# Altium PCB allaki_mezzanine.PcbDoc (part 1 of 3) (continued)
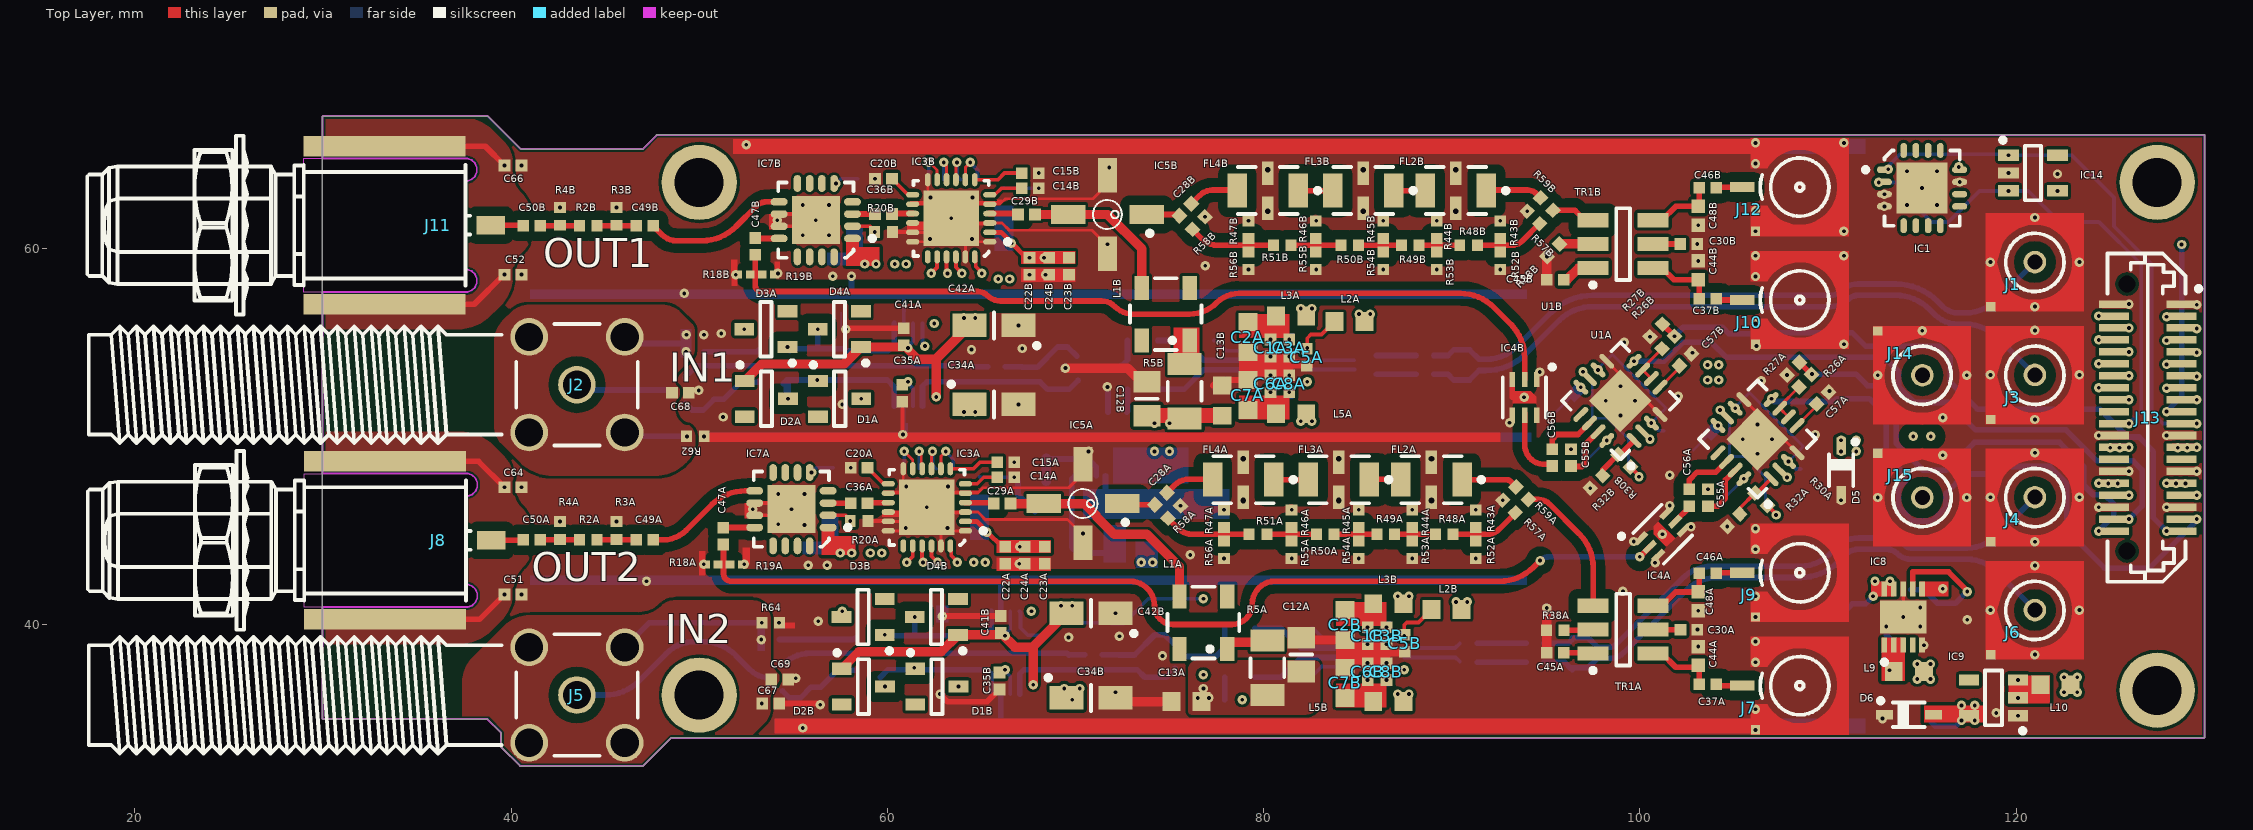
[diagram p0: Top Layer view]
## Classes and differential pairs
net class 50_Ohms: NetC9A_2 NetC9B_2 NetC28A_1 NetC28A_2 NetC28B_1 NetC28B_2 NetC29A_2 NetC29B_2 NetC31A_1 NetC31B_1 NetC36A_1 NetC36A_2 NetC36B_1 NetC36B_2 NetC47A_1 NetC47B_1 NetC49A_1 NetC49A_2 NetC49B_1 NetC49B_2 NetC50A_1 NetC50B_1 NetC55A_2 NetC55B_2 NetC56A_1 NetC56A_2 NetC56B_1 NetC56B_2 NetFL2A_1 NetFL2A_3 NetFL2B_1 NetFL2B_3 NetFL3A_3 NetFL3B_3 NetIC2A_2 NetIC2A_3 NetIC2B_2 NetIC2B_3 NetIC6A_7 NetIC6B_7 NetR6A_2 NetR6B_2 NetR7A_2 NetR7B_2 NetR8A_1 NetR8B_1 NetR11A_1 NetR11B_1 NetR35A_2 NetR35B_2 NetR43A_2 NetR43B_2 NetR44A_2 NetR44B_2 NetR45A_2 NetR45B_2 NetR46A_2 NetR46B_2 NetR47A_2 NetR47B_2 NetR59A_1 NetR59B_1 PD_INA PD_INB RF1_OUT RF2_OUT SIG1_IN SIG2_IN
component class U_PowerSupply: C11 C25 C26 C27 C53 C70 C71 C72 D5 D6 IC8 IC9 IC10 L4 L9 L10 R39 R60
component class U_FP_connectors: C10 C32 C51 C52 C64 C65 C66 C67 C68 C69 J2 J5 J8 J11 R61 R62 R63 R64
component class U_B2B_connectors: J1 J3 J4 J6 J7 J9 J10 J12 J13 J14 J15 R17
channel class ADC_channel: U_ADC_channel1 U_ADC_channel2
channel class DAC_channel: U_Attenuator1 U_Attenuator2
component class U_ADC_channel1: C1A C2A C3A C4A C5A C6A C7A C8A C9A C31A C33A C34A C35A C41A C42A C63A D1A D2A D3A D4A IC2A IC6A L2A L3A L5A R1A R6A R7A R8A R9A R10A R11A R12A R13A R14A R15A R16A R21A R22A R24A R33A R34A R35A R36A R37A R40A R41A R42A R65A R66A R67A R68A
component class U_ADC_channel2: C1B C2B C3B C4B C5B C6B C7B C8B C9B C31B C33B C34B C35B C41B C42B C63B D1B D2B D3B D4B IC2B IC6B L2B L3B L5B R1B R6B R7B R8B R9B R10B R11B R12B R13B R14B R15B R16B R21B R22B R24B R33B R34B R35B R36B R37B R40B R41B R42B R65B R66B R67B R68B
component class U_DAC_channel1: C12A C13A C14A C15A C16A C17A C18A C19A C20A C21A C22A C23A C24A C28A C29A C30A C36A C37A C38A C39A C40A C44A C45A C46A C47A C48A C49A C50A C55A C56A C57A C58A C59A C60A C61A C62A FL2A FL3A FL4A IC3A IC4A IC5A IC7A L1A L6A L7A L8A R2A R3A R4A R5A R18A R19A R20A R23A R25A R26A R27A R28A R29A R30A R31A R32A R38A R43A R44A R45A R46A R47A R48A R49A R50A R51A R52A R53A R54A R55A R56A R57A R58A R59A TR1A U1A
component class U_DAC_channel2: C12B C13B C14B C15B C16B C17B C18B C19B C20B C21B C22B C23B C24B C28B C29B C30B C36B C37B C38B C39B C40B C44B C45B C46B C47B C48B C49B C50B C55B C56B C57B C58B C59B C60B C61B C62B FL2B FL3B FL4B IC3B IC4B IC5B IC7B L1B L6B L7B L8B R2B R3B R4B R5B R18B R19B R20B R23B R25B R26B R27B R28B R29B R30B R31B R32B R38B R43B R44B R45B R46B R47B R48B R49B R50B R51B R52B R53B R54B R55B R56B R57B R58B R59B TR1B U1B
component class U_Mgmt: C43 C54 IC1 IC14
differential pair ADC1_IN: +ADC1_IN_P -ADC1_IN_N
differential pair ADC2_IN: +ADC2_IN_P -ADC2_IN_N
differential pair DAC1_OUT: +DAC1_OUT_P -DAC1_OUT_N
differential pair DAC2_OUT: +DAC2_OUT_P -DAC2_OUT_N
differential pair LO_IN: +LO_IN_P -LO_IN_N

## Components (designator, comment, footprint, x,y, rotation, side; value= is the part's Value field where it differs from the comment)
C1A "100nF" CAPC1005X55N 80.37,54.7 r90 top (schematic designator C1)
C1B "100nF" CAPC1005X55N 85.53,39.4 r90 top (schematic designator C1)
C2A "10uF" CAPC1608X87N 79.17,55.275 r90 top (schematic designator C2)
C2B "10uF" CAPC1608X87N 84.33,39.975 r90 top (schematic designator C2)
C3A "1nF" CAPC1005X55N 81.37,54.7 r90 top (schematic designator C3)
C3B "1nF" CAPC1005X55N 86.53,39.4 r90 top (schematic designator C3)
C4A "10pF" CAPC1608X87N 87,53.8 r90 bottom (schematic designator C4)
C4B "10pF" CAPC1608X87N 92.6,38.5 r90 bottom (schematic designator C4)
C5A "100nF" CAPC1005X55N 82.3,54.2 r90 top (schematic designator C5)
C5B "100nF" CAPC1005X55N 87.5,39 r90 top (schematic designator C5)
C6A "100nF" CAPC1005X55N 80.37,52.8 r270 top (schematic designator C6)
C6B "100nF" CAPC1005X55N 85.53,37.5 r270 top (schematic designator C6)
C7A "10uF" CAPC1608X87N 79.17,52.2 r270 top (schematic designator C7)
C7B "10uF" CAPC1608X87N 84.33,36.9 r270 top (schematic designator C7)
C8A "1nF" CAPC1005X55N 81.37,52.8 r270 top (schematic designator C8)
C8B "1nF" CAPC1005X55N 86.53,37.5 r270 top (schematic designator C8)
C9A "18pF" CAPC1005X55N 57.77,52.2 r90 bottom (schematic designator C9)
C9B "18pF" CAPC1005X55N 62.93,36.8 r90 bottom (schematic designator C9)
C10 "10pF" CAPC1005X55N 49.77,55.4 r0 bottom
C11 "10uF" CAPC1608X87N 112.9,41.1 r90 bottom
C12A "1uF" CAPC2012X140N 82,38.4 r270 top (schematic designator C12)
C12B "1uF" CAPC2012X140N 73.8,52 r270 top (schematic designator C12)
C13A "100nF" CAPC1608X87N 75.9,35.9 r0 top (schematic designator C13)
C13B "100nF" CAPC1608X87N 77.8,51.9 r270 top (schematic designator C13)
C14A "10nF" CAPC1005X55N 66.3,47.83 r180 top (schematic designator C14)
C14B "10nF" CAPC1005X55N 67.597,63.195 r180 top (schematic designator C14)
C15A "10nF" CAPC1005X55N 66.3,48.63 r180 top (schematic designator C15)
C15B "10nF" CAPC1005X55N 67.597,63.995 r180 top (schematic designator C15)
C16A "10nF" CAPC1005X55N 63.5,47.83 r90 bottom (schematic designator C16)
C16B "10nF" CAPC1005X55N 64.797,63.195 r90 bottom (schematic designator C16)
C17A "10nF" CAPC1005X55N 62.6,47.83 r90 bottom (schematic designator C17)
C17B "10nF" CAPC1005X55N 63.897,63.195 r90 bottom (schematic designator C17)
C18A "10nF" CAPC1005X55N 61.7,47.83 r90 bottom (schematic designator C18)
C18B "10nF" CAPC1005X55N 62.997,63.195 r90 bottom (schematic designator C18)
C19A "10nF" CAPC1005X55N 60.8,47.83 r90 bottom (schematic designator C19)
C19B "10nF" CAPC1005X55N 62.097,63.195 r90 bottom (schematic designator C19)
C20A "10nF" CAPC1005X55N 58.5,48.33 r0 top (schematic designator C20)
C20B "10nF" CAPC1005X55N 59.797,63.695 r0 top (schematic designator C20)
C21A "10uF" CAPC1608X80N 64.9,47.1 r270 bottom (schematic designator C21)
C21B "10uF" CAPC1608X80N 66.197,62.465 r270 bottom (schematic designator C21)
C22A "100nF" CAPC1005X55N 66.261,43.68 r90 top (schematic designator C22)
C22B "100nF" CAPC1005X55N 67.558,59.045 r90 top (schematic designator C22)
C23A "1nF" CAPC1005X55N 68.361,43.68 r90 top (schematic designator C23)
C23B "1nF" CAPC1005X55N 69.658,59.045 r90 top (schematic designator C23)
C24A "100pF" CAPC1005X55N 67.311,43.68 r90 top (schematic designator C24)
C24B "100pF" CAPC1005X55N 68.608,59.045 r90 top (schematic designator C24)
C25 "4.7uF" CAPC1709X95N 113.5,38.3 r270 bottom
C26 "4.7uF" CAPC1709X95N 117.4,41 r90 bottom
C27 "2.2uF" CAPC1608X90N 120.1,35.8 r90 bottom
C28A "10nF" CAPC1005X55N 74.546,46.684 r225 top (schematic designator C28)
C28B "10nF" CAPC1005X55N 75.844,62.049 r225 top (schematic designator C28)
C29A "10nF" CAPC1005X55N 66.1,46.43 r180 top (schematic designator C29)
C29B "10nF" CAPC1005X55N 67.397,61.795 r180 top (schematic designator C29)
C30A "100pF" CAPC1005X55N 102.61,39.73 r180 top (schematic designator C30)
C30B "100pF" CAPC1005X55N 102.607,60.225 r180 top (schematic designator C30)
C31A "180pF" CAPC3216X140N 56.17,53.8 r270 bottom (schematic designator C31)
C31B "180pF" CAPC3216X140N 61.33,38.5 r270 bottom (schematic designator C31)
C32 "10pF" CAPC1005X55N 53.8,40.1 r0 bottom
C33A "18pF" CAPC1005X55N 57.77,55.3 r270 bottom (schematic designator C33)
C33B "18pF" CAPC1005X55N 62.93,40 r270 bottom (schematic designator C33)
C34A "10uF" CAPMP3216X180N 65.67,51.7 r0 top (schematic designator C34)
C34B "10uF" CAPMP3216X180N 70.83,36.1 r0 top (schematic designator C34)
C35A "100nF" CAPC1005X55N 60.8,52.3 r90 top (schematic designator C35)
C35B "100nF" CAPC1005X55N 65.96,37 r90 top (schematic designator C35)
C36A "10nF" CAPC1005X55N 58.5,46.455 r180 top (schematic designator C36)
C36B "10nF" CAPC1005X55N 59.797,61.82 r180 top (schematic designator C36)
C37A "10nF" CAPC1005X55N 103.61,36.83 r180 top (schematic designator C37)
C37B "10nF" CAPC1005X55N 103.607,57.325 r180 top (schematic designator C37)
C38A "100pF" CAPC1005X55N 56.8,43.6 r270 bottom (schematic designator C38)
C38B "100pF" CAPC1005X55N 58.097,58.965 r270 bottom (schematic designator C38)
C39A "10uF" CAPC1608X80N 56.2,45.5 r0 bottom (schematic designator C39)
C39B "10uF" CAPC1608X80N 57.497,60.865 r0 bottom (schematic designator C39)
C40A "100nF" CAPC1005X55N 55.8,43.6 r90 bottom (schematic designator C40)
C40B "100nF" CAPC1005X55N 57.097,58.965 r90 bottom (schematic designator C40)
C41A "100nF" CAPC1005X55N 60.87,55.3 r270 top (schematic designator C41)
C41B "100nF" CAPC1005X55N 66.03,40 r270 top (schematic designator C41)
C42A "10uF" CAPMP3216X180N 65.67,55.9 r180 top (schematic designator C42)
C42B "10uF" CAPMP3216X180N 70.83,40.6 r180 top (schematic designator C42)
C43 "100nF" CAPC1005X55N 122.2,63.5 r270 bottom
C44A "0.5pF" CAPC0402(1005)60_M 103.11,38.33 r270 top (schematic designator C44)
C44B "0.5pF" CAPC0402(1005)60_M 103.107,58.825 r270 top (schematic designator C44)
C45A "100pF" CAPC1005X55N 95.5,38.5 r180 top (schematic designator C45)
C45B "100pF" CAPC1005X55N 95.5,58.335 r180 top (schematic designator C45)
C46A "10nF" CAPC1005X55N 103.61,42.73 r180 top (schematic designator C46)
C46B "10nF" CAPC1005X55N 103.607,63.225 r180 top (schematic designator C46)
C47A "10nF" CAPC1005X55N 51.27,44.7 r270 top (schematic designator C47)
C47B "10nF" CAPC1005X55N 52.975,60.097 r270 top (schematic designator C47)
C48A "0.5pF" CAPC0402(1005)60_M 103.11,41.23 r270 top (schematic designator C48)
C48B "0.5pF" CAPC0402(1005)60_M 103.107,61.725 r270 top (schematic designator C48)
C49A "10nF" CAPC1005X55N 47.1,44.5 r180 top (schematic designator C49)
C49B "10nF" CAPC1005X55N 47.1,61.195 r180 top (schematic designator C49)
C50A "10nF" CAPC1005X55N 41.1,44.5 r180 top (schematic designator C50)
C50B "10nF" CAPC1005X55N 41.1,61.195 r180 top (schematic designator C50)
C51 "10nF" CAPC1005X55N 40.1,41.6 r180 top
C52 "10nF" CAPC1005X55N 40.1,58.6 r180 top
C53 "2.2uF" CAPC1608X90N 118.2,35.3 r180 bottom
C54 "100nF" CAPC1005X55N 116.5,64.325 r0 bottom
C55A "10nF" CAPC1005X55N 103.625,46.735 r270 top (schematic designator C55)
C55B "10nF" CAPC1005X55N 96.338,48.873 r270 top (schematic designator C55)
C56A "10nF" CAPC1005X55N 102.635,46.735 r90 top (schematic designator C56)
C56B "10nF" CAPC1005X55N 95.348,48.873 r90 top (schematic designator C56)
C57A "100nF" CAPC1005X55N 109.711,52.039 r45 top (schematic designator C57)
C57B "100nF" CAPC1005X55N 102.424,54.076 r45 top (schematic designator C57)
C58A "100nF" CAPC1005X55N 108.233,47.944 r225 bottom (schematic designator C58)
C58B "100nF" CAPC1005X55N 100.947,49.982 r225 bottom (schematic designator C58)
C59A "100nF" CAPC1005X55N 106.14,52.64 r225 bottom (schematic designator C59)
C59B "100nF" CAPC1005X55N 98.854,54.677 r225 bottom (schematic designator C59)
C60A "100nF" CAPC1005X55N 109.004,49.776 r225 bottom (schematic designator C60)
C60B "100nF" CAPC1005X55N 101.717,51.813 r225 bottom (schematic designator C60)
C61A "100pF" CAPC1005X55N 105.539,50.978 r315 bottom (schematic designator C61)
C61B "100pF" CAPC1005X55N 98.253,53.015 r315 bottom (schematic designator C61)
C62A "100pF" CAPC1005X55N 107.449,49.069 r135 bottom (schematic designator C62)
C62B "100pF" CAPC1005X55N 100.162,51.106 r135 bottom (schematic designator C62)
C63A "10pF" CAPC1608X87N 90.1,53.8 r90 bottom (schematic designator C63)
C63B "10pF" CAPC1608X87N 96.4,38.5 r90 bottom (schematic designator C63)
C64 "10nF" CAPC1005X55N 40.1,47.3 r0 top
C65 "10nF" CAPC1005X55N 49.9,49.9 r180 bottom
C66 "10nF" CAPC1005X55N 40.1,64.4 r0 top
C67 "10nF" CAPC1005X55N 53.8,35.8 r180 top
C68 "10nF" CAPC1005X55N 49,52.313 r180 top
C69 "10nF" CAPC1005X55N 54.276,37.078 r180 top
C70 "10uF" CAPC1608X87N 74,47.285 r90 bottom
C71 "4.7uF" CAPC1709X95N 68.6,46 r0 bottom
C72 "4.7uF" CAPC1709X95N 67.7,47.6 r0 bottom
D1A "BAV199" SOT95P240X110-3N 57.47,52 r0 top (schematic designator D1)
D1B "BAV199" SOT95P240X110-3N 62.63,36.7 r0 top (schematic designator D1)
D2A "BAV199" SOT95P240X110-3N 53.57,52 r0 top (schematic designator D2)
D2B "BAV199" SOT95P240X110-3N 58.73,36.7 r0 top (schematic designator D2)
D3A "BAV199" SOT95P240X110-3N 53.55,55.7 r180 top (schematic designator D3)
D3B "BAV199" SOT95P240X110-3N 58.71,40.4 r180 top (schematic designator D3)
D4A "BAV199" SOT95P240X110-3N 57.45,55.7 r180 top (schematic designator D4)
D4B "BAV199" SOT95P240X110-3N 62.61,40.4 r180 top (schematic designator D4)
D5 "1PS76SB10" SOD2512X110N 110.7,48.2 r270 top
D6 "1PS76SB10" SOD2512X110N 114.3,35.2 r0 top
FL2A "DC to 3000MHz" FIL_MINI-CIRCUITS_FV1206 88.925,47.7 r180 top (schematic designator FL2)
FL2B "DC to 3000MHz" FIL_MINI-CIRCUITS_FV1206 90.222,63.065 r180 top (schematic designator FL2)
FL3A "DC to 3000MHz" FIL_MINI-CIRCUITS_FV1206 84,47.7 r180 top (schematic designator FL3)
FL3B "DC to 3000MHz" FIL_MINI-CIRCUITS_FV1206 85.297,63.065 r180 top (schematic designator FL3)
FL4A "DC to 3000MHz" FIL_MINI-CIRCUITS_FV1206 78.925,47.7 r180 top (schematic designator FL4)
FL4B "DC to 3000MHz" FIL_MINI-CIRCUITS_FV1206 80.222,63.065 r180 top (schematic designator FL4)
IC1 "ADT7420UCPZ-R2" QFN65P400X400X80-17N-S270 115,63.2 r0 top
IC2A "ADA4927-1YCPZ-R2" QFN50P300X300X100-17N-S145 80.87,53.8 r0 bottom (schematic designator IC2)
IC2B "ADA4927-1YCPZ-R2" QFN50P300X300X100-17N-S145 86.03,38.5 r0 bottom (schematic designator IC2)
IC3A "HMC542BLP4E" QFN50P400X400X100-25N-S295 62.1,46.23 r180 top (schematic designator IC3)
IC3B "HMC542BLP4E" QFN50P400X400X100-25N-S295 63.397,61.595 r180 top (schematic designator IC3)
IC4A "YAT-12+" MINI-CIRCUITS_MC1630 101.2,44.8 r45 top (schematic designator IC4)
IC4B "YAT-12+" MINI-CIRCUITS_MC1630 93.875,52.075 r270 top (schematic designator IC4)
IC5A "ERA-4XSM+" MINI-CIRCUITS_WW107 70.4,46.43 r180 top (schematic designator IC5)
IC5B "ERA-4XSM+" MINI-CIRCUITS_WW107 71.697,61.795 r180 top (schematic designator IC5)
IC6A "AD8253ARMZ" SOP50P490X110-10N 61.37,53.8 r270 bottom (schematic designator IC6)
IC6B "AD8253ARMZ" SOP50P490X110-10N 66.53,38.5 r270 bottom (schematic designator IC6)
IC7A "HMC349ALP4CE" QFN65P400X400X100-17N-S255 54.9,46.13 r180 top (schematic designator IC7)
IC7B "HMC349ALP4CE" QFN65P400X400X100-17N-S255 56.197,61.495 r180 top (schematic designator IC7)
IC8 "LT3045EDD#PBF" SON50P300X300X80-11N-R175X248 114,40.4 r90 top
IC9 "ADP7182AUJZ-5.0-R7" SOT95P280X90-5N 118.8,36.1 r180 top
IC10 "LT3045EDD#PBF" SON50P300X300X80-11N-R175X248 71.6,46.4 r90 bottom
IC14 "24AA02E48T-I/OT" SOT95P280X145-5N 120.9,64 r0 top
J1 "SMP" AMPHENOL_SMP-MSLD-PCT-10 121,59.25 r90 top locked
J2 "SMA" TELEGARTNER_J01151A0921 43.5,52.75 r0 top locked
J3 "SMP" AMPHENOL_SMP-MSLD-PCT-10 121,53.25 r90 top locked
J4 "SMP" AMPHENOL_SMP-MSLD-PCT-10 121,46.75 r90 top locked
J5 "SMA" TELEGARTNER_J01151A0921 43.5,36.25 r0 top locked
J6 "SMP" AMPHENOL_SMP-MSLD-PCT-10 121,40.75 r90 top locked
J7 "SMP" MOLEX_85305-0232 108.5,36.75 r90 top
J8 "SMA" TELEGARTNER_J01151A0451 38.95,44.474 r180 top locked
J9 "SMP" MOLEX_85305-0232 108.5,42.75 r90 top
J10 "SMP" MOLEX_85305-0232 108.5,57.25 r90 top
J11 "SMA" TELEGARTNER_J01151A0451 38.925,61.225 r180 top locked
J12 "SMP" MOLEX_85305-0232 108.5,63.25 r90 top
J13 "Familly" SAMTEC_LSS-120-02-L-DV-A 127,51 r90 top
J14 "SMP" AMPHENOL_SMP-MSLD-PCT-10 115,53.25 r0 top locked
J15 "SMP" AMPHENOL_SMP-MSLD-PCT-10 115,46.75 r0 top locked
L1A "0.5uH@200mA" IND_MINI-CIRCUITS_GU1604 76.8,40.1 r180 top (schematic designator L1)
L1B "0.5uH@200mA" IND_MINI-CIRCUITS_GU1604 74.8,56.5 r180 top (schematic designator L1)
L2A "390R@100MHz" INDC1608X95N 84.57,56.1 r180 top (schematic designator L2)
L2B "390R@100MHz" INDC1608X95N 89.73,40.8 r180 top (schematic designator L2)
L3A "390R@100MHz" INDC1608X95N 81.47,56.4 r0 top (schematic designator L3)
L3B "390R@100MHz" INDC1608X95N 86.63,41.1 r0 top (schematic designator L3)
L4 "390R@100MHz" INDC1608X95N 73,43.8 r180 bottom
L5A "390R@100MHz" INDC1608X95N 81.47,51.2 r180 top (schematic designator L5)
L5B "390R@100MHz" INDC1608X95N 86.63,35.9 r180 top (schematic designator L5)
L6A "390R@100MHz" INDC1608X95N 58.6,44.2 r0 bottom (schematic designator L6)
L6B "390R@100MHz" INDC1608X95N 59.897,59.565 r0 bottom (schematic designator L6)
L7A "390R@100MHz" INDC1608X95N 64.9,44.2 r90 bottom (schematic designator L7)
L7B "390R@100MHz" INDC1608X95N 66.197,59.565 r90 bottom (schematic designator L7)
L8A "390R@100MHz" INDC1608X95N 111.1,50.3 r270 bottom (schematic designator L8)
L8B "390R@100MHz" INDC1608X95N 103.1,53.4 r0 bottom (schematic designator L8)
L9 "390R@100MHz" INDC1608X95N 114.3,37.5 r180 top
L10 "390R@100MHz" INDC1608X95N 122.1,36.8 r180 top
R1A "698" RESC1608X55N 76.57,55.1 r0 bottom (schematic designator R1)
R1B "698" RESC1608X55N 81.73,39.8 r0 bottom (schematic designator R1)
R2A "0" RESC1005X40N#1 44.1,44.5 r180 top (schematic designator R2)
R2B "0" RESC1005X40N#1 44.1,61.195 r180 top (schematic designator R2)
R3A "0" RESC1005X40N#1 45.6,45 r270 top (schematic designator R3)
R3B "0" RESC1005X40N#1 45.6,61.695 r270 top (schematic designator R3)
R4A "0" RESC1005X40N#1 42.6,45 r270 top (schematic designator R4)
R4B "0" RESC1005X40N#1 42.6,61.695 r270 top (schematic designator R4)
R5A "100" RESC3216X65N 80.2,37.7 r90 top (schematic designator R5)
R5B "100" RESC3216X65N 75.8,52.4 r90 top (schematic designator R5)
R6A "DNP" RESC1005X40N#1 48.9,52.8 r45 bottom value=0 (schematic designator R6)
R6B "DNP" RESC1005X40N#1 54.06,37.5 r45 bottom value=0 (schematic designator R6)
R7A "0" RESC1005X40N#1 65.8,53.7 r0 bottom (schematic designator R7)
R7B "0" RESC1005X40N#1 70.96,38.4 r0 bottom (schematic designator R7)
R8A "DNP" RESC1005X40N#2 70.402,53.932 r135 bottom value=0 (schematic designator R8)
R8B "DNP" RESC1005X40N#1 75.562,38.632 r135 bottom value=0 (schematic designator R8)
R9A "698" RESC1608X55N 73.57,55.1 r0 bottom (schematic designator R9)
R9B "698" RESC1608X55N 78.73,39.8 r0 bottom (schematic designator R9)
R10A "0" RESC1005X40N#1 85.53,54.3 r0 bottom (schematic designator R10)
R10B "0" RESC1005X40N#1 90.89,39 r0 bottom (schematic designator R10)
R11A "DNP" RESC1005X40N#1 49.6,52.1 r45 bottom value=0 (schematic designator R11)
R11B "DNP" RESC1005X40N#1 54.76,36.8 r45 bottom value=0 (schematic designator R11)
R12A "DNP" RESC1005X40N#1 69.8,53.3 r135 bottom value=0 (schematic designator R12)
R12B "DNP" RESC1005X40N#1 74.96,38 r135 bottom value=0 (schematic designator R12)
R13A "698" RESC1608X55N 73.57,52.5 r0 bottom (schematic designator R13)
R13B "698" RESC1608X55N 78.73,37.2 r0 bottom (schematic designator R13)
R14A "0" RESC1005X40N#1 64.476,54.146 r270 bottom (schematic designator R14)
R14B "0" RESC1005X40N#1 69.636,38.846 r270 bottom (schematic designator R14)
R15A "0" RESC1005X40N#1 67.176,54.146 r270 bottom (schematic designator R15)
R15B "0" RESC1005X40N#1 72.336,38.846 r270 bottom (schematic designator R15)
R16A "DNP" RESC1005X40N#1 71.7,53.1 r90 bottom value=56 (schematic designator R16)
R16B "DNP" RESC1005X40N#1 76.8,37.8 r90 bottom value=56 (schematic designator R16)
R17 "100" RESC1005X40N#1 115,50 r180 bottom
R18A "100" RESC0603X28N 50.67,43.2 r0 top (schematic designator R18)
R18B "100" RESC0603X28N 52.375,58.597 r0 top (schematic designator R18)
R19A "100" RESC0603X28N 51.97,43.2 r180 top (schematic designator R19)
R19B "100" RESC0603X28N 53.675,58.597 r180 top (schematic designator R19)
R20A "4k7" RESC1005X40N#1 58.5,45.5 r180 top (schematic designator R20)
R20B "4k7" RESC1005X40N#1 59.797,60.865 r180 top (schematic designator R20)
R21A "0" RESC1005X40N#1 85.53,53.3 r0 bottom (schematic designator R21)
R21B "0" RESC1005X40N#1 90.89,38 r0 bottom (schematic designator R21)
R22A "698" RESC1608X55N 76.57,52.5 r0 bottom (schematic designator R22)
R22B "698" RESC1608X55N 81.73,37.2 r0 bottom (schematic designator R22)
R23A "4k7" RESC1005X40N#1 57.59,48.33 r180 bottom (schematic designator R23)
R23B "4k7" RESC1005X40N#1 58.887,63.695 r180 bottom (schematic designator R23)
R24A "0" RESC1005X40N#1 72.2,51.3 r0 bottom (schematic designator R24)
R24B "0" RESC1005X40N#1 78.4,36 r180 bottom (schematic designator R24)
R25A "1k4" RESC1608X55N 102.152,48.51 r225 bottom (schematic designator R25)
R25B "1k4" RESC1608X55N 94.865,50.547 r225 bottom (schematic designator R25)
R26A "1k" RESC1005X40N#1 108.792,52.958 r45 top (schematic designator R26)
R26B "1k" RESC1005X40N#1 101.505,54.995 r45 top (schematic designator R26)
R27A "1k" RESC1005X40N#1 108.156,53.594 r45 top (schematic designator R27)
R27B "1k" RESC1005X40N#1 100.869,55.632 r45 top (schematic designator R27)
R28A "845" RESC1608X55N 104.196,49.493 r135 bottom (schematic designator R28)
R28B "845" RESC1608X55N 96.909,51.53 r135 bottom (schematic designator R28)
R29A "3k24" RESC1608X55N 106.041,47.167 r315 bottom (schematic designator R29)
R29B "3k24" RESC1608X55N 98.755,49.204 r315 bottom (schematic designator R29)
R30A "13k" RESC1005X40N#1 106.459,46.665 r135 top (schematic designator R30)
R30B "13k" RESC1005X40N#1 99.172,48.702 r135 top (schematic designator R30)
R31A "1k" RESC1005X40N#1 103.984,46.877 r315 bottom (schematic designator R31)
R31B "1k" RESC1005X40N#1 96.697,48.914 r315 bottom (schematic designator R31)
R32A "10k" RESC1005X40N#1 104.981,45.54 r45 top (schematic designator R32)
R32B "10k" RESC1005X40N#1 97.694,47.578 r45 top (schematic designator R32)
R33A "1k5" RESC1608X55N 53.67,52.8 r0 bottom (schematic designator R33)
R33B "1k5" RESC1608X55N 58.83,37.2 r0 bottom (schematic designator R33)
R34A "100k" RESC1005X35N 51.3,51.5 r90 bottom (schematic designator R34)
R34B "100k" RESC1005X35N 56.46,36.2 r90 bottom (schematic designator R34)
R35A "0" RESC1005X40N#1 49.77,54.5 r0 bottom (schematic designator R35)
R35B "0" RESC1005X40N#1 53.8,39.2 r0 bottom (schematic designator R35)
R36A "1k5" RESC1608X55N 53.67,54.7 r0 bottom (schematic designator R36)
R36B "1k5" RESC1608X55N 58.83,39.5 r0 bottom (schematic designator R36)
R37A "100k" RESC1005X35N 51.17,55 r270 bottom (schematic designator R37)
R37B "100k" RESC1005X35N 56.33,39.7 r270 bottom (schematic designator R37)
R38A "0" RESC1005X40N#1 95.5,39.7 r180 top (schematic designator R38)
R38B "0" RESC1005X40N#1 95.4,59.9 r225 top (schematic designator R38)
R39 "49k9" RESC1608X55N 114.4,41.05 r90 bottom
R40A "49R9" RESC1005X40N#1 88.57,54.3 r180 bottom (schematic designator R40)
R40B "49R9" RESC1005X40N#1 94.43,39 r180 bottom (schematic designator R40)
R41A "1k" RESC1005X40N#1 84.1,53.8 r270 bottom (schematic designator R41)
R41B "1k" RESC1005X40N#1 89.6,38.5 r270 bottom (schematic designator R41)
R42A "49R9" RESC1005X40N#1 88.57,53.3 r180 bottom (schematic designator R42)
R42B "49R9" RESC1005X40N#1 94.43,38 r180 bottom (schematic designator R42)
R43A "0" RESC1005X40N#1 91.278,45.625 r270 top (schematic designator R43)
R43B "0" RESC1005X40N#1 92.575,60.99 r270 top (schematic designator R43)
R44A "0" RESC1005X40N#1 87.903,45.625 r270 top (schematic designator R44)
R44B "0" RESC1005X40N#1 89.2,60.99 r270 top (schematic designator R44)
R45A "0" RESC1005X40N#1 85.065,45.625 r270 top (schematic designator R45)
R45B "0" RESC1005X40N#1 86.363,60.99 r270 top (schematic designator R45)
R46A "0" RESC1005X40N#1 81.483,45.625 r270 top (schematic designator R46)
R46B "0" RESC1005X40N#1 82.78,60.99 r270 top (schematic designator R46)
R47A "0" RESC1005X40N#1 77.9,45.625 r270 top (schematic designator R47)
R47B "0" RESC1005X40N#1 79.197,60.99 r270 top (schematic designator R47)
R48A "0" RESC1005X40N#1 89.6,44.8 r180 top (schematic designator R48)
R48B "0" RESC1005X40N#1 90.897,60.165 r180 top (schematic designator R48)
R49A "0" RESC1005X40N#1 86.5,44.8 r180 top (schematic designator R49)
R49B "0" RESC1005X40N#1 87.797,60.165 r180 top (schematic designator R49)
R50A "0" RESC1005X40N#1 83.284,44.8 r180 top (schematic designator R50)
R50B "0" RESC1005X40N#1 84.581,60.165 r180 top (schematic designator R50)
R51A "0" RESC1005X40N#1 79.701,44.795 r0 top (schematic designator R51)
R51B "0" RESC1005X40N#1 80.999,60.16 r0 top (schematic designator R51)
R52A "0" RESC1005X40N#1 91.278,43.975 r90 top (schematic designator R52)
R52B "0" RESC1005X40N#1 92.575,59.34 r90 top (schematic designator R52)
R53A "0" RESC1005X40N#1 87.903,43.975 r90 top (schematic designator R53)
R53B "0" RESC1005X40N#1 89.2,59.34 r90 top (schematic designator R53)
R54A "0" RESC1005X40N#1 85.065,43.975 r90 top (schematic designator R54)
R54B "0" RESC1005X40N#1 86.363,59.34 r90 top (schematic designator R54)
R55A "0" RESC1005X40N#1 81.483,43.975 r90 top (schematic designator R55)
R55B "0" RESC1005X40N#1 82.78,59.34 r90 top (schematic designator R55)
R56A "0" RESC1005X40N#1 77.899,43.975 r90 top (schematic designator R56)
R56B "0" RESC1005X40N#1 79.197,59.34 r90 top (schematic designator R56)
R57A "0" RESC1005X40N#1 93.046,46.276 r135 top (schematic designator R57)
R57B "0" RESC1005X40N#1 94.344,61.641 r135 top (schematic designator R57)
R58A "0" RESC1005X40N#1 75.254,45.976 r45 top (schematic designator R58)
R58B "0" RESC1005X40N#1 76.551,61.341 r45 top (schematic designator R58)
R59A "0" RESC1005X40N#1 93.754,46.984 r135 top (schematic designator R59)
R59B "0" RESC1005X40N#1 95.051,62.349 r135 top (schematic designator R59)
R60 "115k" RESC1608X55N 67.7,48.9 r0 bottom
R61 "100k" RESC1005X40N#1 40.1,41.6 r180 bottom
R62 "100k" RESC1005X40N#1 49.8,50 r180 top
R63 "100k" RESC1005X40N#1 40.1,58.6 r180 bottom
R64 "100k" RESC1005X40N#1 53.8,40.1 r180 top
R65A "0" RESC1005X40N#2 48.942,52.12 r135 bottom (schematic designator R65)
R65B "0" RESC1005X40N#2 54.1,36.8 r135 bottom (schematic designator R65)
R66A "0" RESC1005X40N#2 49.6,52.8 r135 bottom (schematic designator R66)
R66B "0" RESC1005X40N#2 54.7,37.5 r135 bottom (schematic designator R66)
R67A "0" RESC1005X40N#3 69.757,53.922 r45 bottom (schematic designator R67)
R67B "0" RESC1005X40N#2 74.917,38.622 r45 bottom (schematic designator R67)
R68A "3k3" RESC1005X40N#3 70.4,53.3 r45 bottom (schematic designator R68)
R68B "3k3" RESC1005X40N#2 75.6,38 r45 bottom (schematic designator R68)
TR1A "1:2" XFMR_MINI-CIRCUITS_DB1627 99.11,39.73 r90 top (schematic designator TR1)
TR1B "1:2" XFMR_MINI-CIRCUITS_DB1627 99.107,60.225 r90 top (schematic designator TR1)
U1A "AD8363ACPZ-WP" ADI-CP-16-10_M 106.254,49.854 r135 top (schematic designator U1)
U1B "AD8363ACPZ-WP" ADI-CP-16-10_M 98.967,51.891 r135 top (schematic designator U1)

## Footprints (in the part's own frame and the unit in brackets; to place one, negate y for a bottom-side part, rotate by r counter-clockwise, add the part's x,y. Pads: shape width x height; smd on the part's side, far side on the other; paste and mask are expansions set on the pad)
ADI-CP-16-10_M [mm] "QFN, 16-Leads, Body 4x4mm, Pitch 0.65mm, Thermal Pad 2.35x2.35mm, IPC Low Density"
  oval 1x0.3 smd: 1(-2,0.975) 2(-2,0.325) 3(-2,-0.325) 4(-2,-0.975) 9(2,-0.975) 10(2,-0.325) 11(2,0.325) 12(2,0.975)
  oval 0.3x1 smd: 5(-0.975,-2) 6(-0.325,-2) 7(0.325,-2) 8(0.975,-2) 13(0.975,2) 14(0.325,2) 15(-0.325,2) 16(-0.975,2)
  rect 2.35x2.35 smd: 17(0,0)
  silkscreen extent -2.97,-2.2 2.2,2.2, body extent -2.05,-2.05 2.05,2.05, height 1
AMPHENOL_SMP-MSLD-PCT-10 [mm]
  round 1.2 hole 0.8: 1(0.017,0)
  rect 0.5x0.5 smd paste-0.25 mask-0.25: 2(-2.35,2.35)
  Top Layer region: -2.6,-2.6 -2.6,2.6 1,2.6 0,2.032 -1,1.732 -1.732,1 -2,0 -1.732,-1 -1,-1.732 0,-2 1,-1.732 1.732,-1 2,0 1.732,1 1,1.732 1,1.732 0,2.032 1,2.6 2.6,2.6 2.6,-2.6
  silkscreen extent -1.55,-1.55 1.55,1.55, body extent -2.52,-2.5 2.48,2.5, height 4.2
CAPC0402(1005)60_M [mm] "Chip Capacitor, Body 1.0x0.5mm, Height 0.6mm, IPC Low Density"
  rect 0.72x0.72 smd: 1(-0.5,0) 2(0.5,0)
  body extent -0.55,-0.3 0.55,0.3, height 0.6
CAPC1005X55N [mm] "Chip Capacitor, Body 1.0x0.55mm, IPC Medium Density"
  rect 0.62x0.62 smd: 1(-0.45,0) 2(0.45,0)
  body extent -0.52,-0.27 0.53,0.28, height 0.55
CAPC1608X80N [mm] "Chip Capacitor, Body 1.6x0.8mm IPC Medium Density"
  rect 1x1 smd: 1(-0.75,0) 2(0.75,0)
  body extent -0.87,-0.47 0.88,0.48, height 0.8
CAPC1608X87N [mm] "Chip Capacitor, Body 1.6x0.8mm IPC Medium Density"
  rect 0.95x1 smd: 1(-0.8,0) 2(0.8,0)
  body extent -0.87,-0.47 0.88,0.48, height 0.87
CAPC1608X90N [mm] "Chip Capacitor, Body 1.6x0.8mm IPC Medium Density"
  rect 0.95x0.95 smd: 1(-0.75,0) 2(0.75,0)
  body extent -0.85,-0.45 0.85,0.45, height 0.9
CAPC1709X95N [mm] "Capacitor, non-Polarized, Chip; 1.65mm L X 0.85mm W X 0.95mm H,IPC Medium Density"
  rect 0.95x1 smd: 1(-0.75,0) 2(0.75,0)
  body extent -0.87,-0.47 0.88,0.48, height 0.95
CAPC2012X140N [mm] "Chip Capacitor, Body 2.0x1.25mm, IPC Medium Density"
  rect 1.15x1.45 smd: 1(-0.9,0) 2(0.9,0)
  silkscreen extent 0,-0.57 0,0.57, body extent -1.05,-0.67 1.05,0.68, height 1.3
CAPC3216X140N [mm] "Chip Capacitor, Body 3.2x1.6mm, IPC Medium Density"
  rect 1.15x1.8 smd: 1(-1.5,0) 2(1.5,0)
  silkscreen extent -0.5,-0.9 0.5,0.9, body extent -1.7,-0.9 1.7,0.9, height 1.4
CAPMP3216X180N [mm] "Capacitor, Polarized, Molded  Body 3.2x1.6mm, IPC Medium Density"
  rect 1.8x1.25 smd: 1(-1.3,0) 2(1.3,0)
  silkscreen extent -2.4,-0.7 0,1.2, body extent -1.7,-0.9 1.7,0.9, height 1.6
FIL_MINI-CIRCUITS_FV1206 [mm] "MINI-CIRCUITS Case FV1206 - Body 3.2x1.6mm"
  rect 1.04x1.8 smd: 1(-1.625,0) 3(1.625,0)
  rect 0.61x1.245 smd: 2(0,-0.928) 4(0,0.927)
  silkscreen extent -2.78,-1.25 1.6,1.25, body extent -1.6,-0.8 1.6,0.8, height 0.94
IND_MINI-CIRCUITS_GU1604 [mm] "MINI-CIRCUITS RF Choke, Case GU1041 - Body 3.81X3.81mm"
  rect 0.76x1.27 smd: 1(-1.27,1.394) 2(1.27,1.396) 3(1.27,-1.394) 4(-1.27,-1.396)
  silkscreen extent -1.91,-1.91 1.91,1.91, body extent -1.9,-1.9 1.91,1.91, height 3.81
INDC1608X95N [mm] "Chip Inductor, 2-Leads, EIA 0603, Metric 1608, Body 1.6x0.8mm, IPC Medium Density"
  rect 0.95x1 smd: 1(-0.8,0) 2(0.8,0)
  body extent -0.87,-0.47 0.88,0.48, height 0.95
MINI-CIRCUITS_MC1630 [mm] "MINI-CIRCUITS MC1630 Case, 0.65mm pitch, 6 pin, 2mm X 2mm X 0.85mm H body (w/thermal tab 0.65 X 1.25mm)"
  rect 0.8x0.3 smd: 1(-0.95,0.65) 2(-0.95,0) 3(-0.95,-0.65) 4(0.95,-0.65) 5(0.95,0) 6(0.95,0.65)
  rect 0.3x0.3 smd: 7(0,0)
  Top Layer region: -0.325,-0.625 0.325,-0.625 0.325,0.625 -0.025,0.625 -0.325,0.325
  silkscreen extent -1.74,-1.16 1.07,1.59, body extent -1.06,-1.06 1.06,1.06, height 0.85
MINI-CIRCUITS_WW107 [mm] "MINI-CIRCUITS WW107 Case"
  rect 1.83x1.02 smd: 1(-2.085,0) 3(2.085,0)
  rect 1.02x1.83 smd: 2(0,-2.085) 4(0,2.085)
  silkscreen extent -2.38,-0.77 0.77,1.12, body extent -2.84,-2.54 2.54,2.54, height 1.52
MOLEX_85305-0232 [mm] "50 Ohms, SMP Surface Mount Plug, Limited Detent"
  rect 0.54x1.3 smd: 1(0,3.05)
  rect 0.5x0.5 smd paste-0.25 mask-0.25: 2(-2.35,2.35)
  Top Layer region: -2.6,-2.6 -2.6,2.6 -1,2.6 -1,1.732 -1.732,1 -2,0 -1.732,-1 -1,-1.732 0,-2 1,-1.732 1.732,-1 2,0 1.732,1 1,1.732 1,1.732 1,2.6 2.6,2.6 2.6,-2.6
  silkscreen extent -1.55,-1.55 1.55,2.1, body extent -2.54,-2.54 2.54,3.54, height 4.1
QFN50P300X300X100-17N-S145 [mm] "QFN,0.50mm Pitch, Square; 4 Pin X 4 Pin, 3mm X 3mm X 1.00mm H Body (w/Thermal Tab 1.45 X 1.45mm), IPC Medium Density"
  oval 0.9x0.3 smd: 1(-1.45,0.75) 2(-1.45,0.25) 3(-1.45,-0.25) 4(-1.45,-0.75) 9(1.45,-0.75) 10(1.45,-0.25) 11(1.45,0.25) 12(1.45,0.75)
  oval 0.3x0.9 smd: 5(-0.75,-1.45) 6(-0.25,-1.45) 7(0.25,-1.45) 8(0.75,-1.45) 13(0.75,1.45) 14(0.25,1.45) 15(-0.25,1.45) 16(-0.75,1.45)
  rect 1.45x1.45 smd: 17(0,0)
  silkscreen extent -2.62,-1.5 1.5,1.5, body extent -1.57,-1.57 1.58,1.58, height 1
QFN50P400X400X100-25N-S295 [mm] "QFN,0.50mm pitch,square;24 pin,4.00mm L X 4.00mm W X 1.00mm H body (w/thermal tab 2.95 X 2.95mm),  IPC Medium Density"
  oval 0.7x0.3 smd: 1(-2.05,1.25) 2(-2.05,0.75) 3(-2.05,0.25) 4(-2.05,-0.25) 5(-2.05,-0.75) 6(-2.05,-1.25) 13(2.05,-1.25) 14(2.05,-0.75) 15(2.05,-0.25) 16(2.05,0.25) 17(2.05,0.75) 18(2.05,1.25)
  oval 0.3x0.7 smd: 7(-1.25,-2.05) 8(-0.75,-2.05) 9(-0.25,-2.05) 10(0.25,-2.05) 11(0.75,-2.05) 12(1.25,-2.05) 19(1.25,2.05) 20(0.75,2.05) 21(0.25,2.05) 22(-0.25,2.05) 23(-0.75,2.05) 24(-1.25,2.05)
  rect 2.95x2.95 smd: 25(0,0)
  silkscreen extent -3.13,-2 2,2, body extent -2.07,-2.07 2.08,2.08, height 1
QFN65P400X400X80-17N-S270 [mm] "QFN, 0.65mm Pitch, Square; 16 Pin, 4.00mm L X 4.00mm W X 0.80mm H Body (w/thermal tab 2.7 X 2.7mm),  IPC Medium Density"
  oval 0.8x0.35 smd: 1(-2,0.975) 2(-2,0.325) 3(-2,-0.325) 4(-2,-0.975) 9(2,-0.975) 10(2,-0.325) 11(2,0.325) 12(2,0.975)
  oval 0.35x0.8 smd: 5(-0.975,-2) 6(-0.325,-2) 7(0.325,-2) 8(0.975,-2) 13(0.975,2) 14(0.325,2) 15(-0.325,2) 16(-0.975,2)
  rect 2.7x2.7 smd: 17(0,0)
  silkscreen extent -3.12,-2 2,2, body extent -2,-2 2,2, height 0.8
QFN65P400X400X100-17N-S255 [mm] "QFN, 0.65mm pitch,square; 4 pin X 4 pin, 4mm X 4mm X 1mm H body (w/thermal tab 2.55 X 2.55mm),  IPC Medium Density"
  oval 0.9x0.4 smd: 1(-1.95,0.975) 2(-1.95,0.325) 3(-1.95,-0.325) 4(-1.95,-0.975) 9(1.95,-0.975) 10(1.95,-0.325) 11(1.95,0.325) 12(1.95,0.975)
  oval 0.4x0.9 smd: 5(-0.975,-1.95) 6(-0.325,-1.95) 7(0.325,-1.95) 8(0.975,-1.95) 13(0.975,1.95) 14(0.325,1.95) 15(-0.325,1.95) 16(-0.975,1.95)
  rect 2.55x2.55 smd: 17(0,0)
  silkscreen extent -3.13,-2 2,2, body extent -2,-2 2,2, height 1
RESC0603X28N [mm] "Chip Resistor, EIA 0201, Metric 0603, Body 0.6 x 0.3mm, IPC Medium Density"
  rect 0.46x0.42 smd: 1(-0.33,0) 2(0.33,0)
  body extent -0.32,-0.17 0.33,0.18, height 0.28
RESC1005X35N [mm] "Chip Resistor, EIA 0402, Metric 1005, Body 1.0x0.5mm, IPC Medium Density"
  rect 0.58x0.62 smd: 1(-0.47,0) 2(0.47,0)
  body extent -0.52,-0.27 0.53,0.28, height 0.35
RESC1005X40N#1 [mm] "Chip Resistor, EIA 0402, Metric 1005, Body 1.0x0.5mm, IPC Medium Density"
  rect 0.58x0.62 smd: 1(-0.47,0) 2(0.47,0)
  body extent -0.52,-0.27 0.53,0.28, height 0.4
RESC1005X40N#2 [mm] "Chip Resistor, EIA 0402, Metric 1005, Body 1.0x0.5mm, IPC Medium Density"
  rect 0.5x0.5 smd: 1(-0.47,0) 2(0.47,0)
  body extent -0.52,-0.27 0.53,0.28, height 0.4
RESC1005X40N#3 [mm] "Chip Resistor, EIA 0402, Metric 1005, Body 1.0x0.5mm, IPC Medium Density"
  rect 0.5x0.5 smd: 1(-0.47,0)
  rect 0.58x0.62 smd: 2(0.47,0)
  body extent -0.52,-0.27 0.53,0.28, height 0.4
RESC1608X55N [mm] "Chip Resistor, EIA 0603, Metric 1608, Body 1.6x0.8mm, IPC Medium Density"
  rect 0.9x1 smd: 1(-0.8,0) 2(0.8,0)
  body extent -0.87,-0.47 0.88,0.48, height 0.55
RESC3216X65N [mm] "Chip Resistor, EIA 1206, Metric 3216, Body 3.2x1.6mm, IPC Medium Density"
  rect 1.15x1.8 smd: 1(-1.45,0) 2(1.45,0)
  silkscreen extent -0.5,-0.9 0.5,0.9, body extent -1.67,-0.87 1.68,0.88, height 0.65
SAMTEC_LSS-120-02-L-DV-A [mm] "40 Contacts, Pitch 0.635mm, Razor Beam LSS Vertical High Speed Hermaphroditic Strip (Lead Style 7.49mm)"
  rect 0.4x1.6 smd: 1(6.032,-1.8) 2(6.032,1.8) 3(5.397,-1.8) 4(5.397,1.8) 5(4.763,-1.8) 6(4.763,1.8) 7(4.127,-1.8) 8(4.127,1.8) 9(3.492,-1.8) 10(3.492,1.8) 11(2.857,-1.8) 12(2.857,1.8) 13(2.222,-1.8) 14(2.222,1.8) 15(1.588,-1.8) 16(1.587,1.8) 17(0.953,-1.8) 18(0.952,1.8) 19(0.318,-1.8) 20(0.317,1.8) 21(-0.317,-1.8) 22(-0.318,1.8) 23(-0.952,-1.8) 24(-0.953,1.8) 25(-1.587,-1.8) 26(-1.588,1.8) 27(-2.222,-1.8) 28(-2.222,1.8) 29(-2.857,-1.8) 30(-2.857,1.8) 31(-3.492,-1.8) 32(-3.492,1.8) 33(-4.127,-1.8) 34(-4.127,1.8) 35(-4.763,-1.8) 36(-4.763,1.8) 37(-5.397,-1.8) 38(-5.397,1.8) 39(-6.032,-1.8) 40(-6.032,1.8)
  round 0.5 hole 0.9 unplated mask+0.2: P1(-7.1,1.1) P2(7.1,1.1)
  silkscreen extent -8.72,-2.83 8.72,2.14, body extent -8.73,-2.31 8.73,2.29, height 7.5
SOD2512X110N [mm] "Small Outline Diode Flat Lead (SOD-323), 1.70mm W X 1.25mm L X 1.10mm H body,  IPC Medium Density"
  rect 0.9x0.5 smd: 1(-1.3,0) 2(1.3,0)
  silkscreen extent -1.62,-0.65 0.85,0.88, body extent -1.35,-0.67 1.35,0.68, height 1.1
SON50P300X300X80-11N-R175X248 [mm] "SON, 0.50mm Pitch, 10-pin, 3.00mm W  X 3.00mm L X 0.80mm Height, (w/thermal tab 1.75 X 2.48 mm), IPC Medium Density"
  rect 0.8x0.3 smd: 1(-1.5,1) 2(-1.5,0.5) 3(-1.5,0) 4(-1.5,-0.5) 5(-1.5,-1) 6(1.5,-1) 7(1.5,-0.5) 8(1.5,0) 9(1.5,0.5) 10(1.5,1)
  rect 1.75x2.48 smd: 11(0,0)
  silkscreen extent -2.52,0.87 -2.28,1.12, body extent -1.5,-1.5 1.5,1.5, height 0.8
SOP50P490X110-10N [mm] "MSOP, 10-Leads, Body 3.1x3.1mm (max), Pitch 0.50mm, IPC Medium Density"
  rect 1.5x0.3 smd: 1(-2.2,1) 2(-2.2,0.5) 3(-2.2,0) 4(-2.2,-0.5) 5(-2.2,-1) 6(2.2,-1) 7(2.2,-0.5) 8(2.2,0) 9(2.2,0.5) 10(2.2,1)
  silkscreen extent -2.82,-1.5 1.12,1.77, body extent -2.45,-1.55 2.45,1.55, height 1.1
SOT95P240X110-3N [mm] "SOT23 3-Leads, Pitch 0.95mm, Body 1.3x2.9mm, IPC Medium Density"
  rect 1.05x0.65 smd: 1(-1.15,0.95) 2(-1.15,-0.95) 3(1.15,0)
  silkscreen extent -1.52,-1.45 0.3,1.92, body extent -1.25,-1.5 1.25,1.5, height 1.1
SOT95P280X90-5N [mm] "SOT, 0.95mm Pitch; 5 Pin, 1.60mm W X 2.90mm L X 0.90mm H body, IPC Medium"
  rect 1.05x0.6 smd: 1(-1.3,0.95) 2(-1.3,0) 3(-1.3,-0.95) 4(1.3,-0.95) 5(1.3,0.95)
  silkscreen extent -1.68,-1.45 0.45,1.87, body extent -1.4,-1.5 1.4,1.5, height 0.9
SOT95P280X145-5N [mm] "SOT, 0.95mm pitch; 5 pin, 1.60mm W X 2.90mm L X 1.45mm H body, IPC Medium Density"
  rect 1.1x0.6 smd: 1(-1.3,0.95) 2(-1.3,0) 3(-1.3,-0.95) 4(1.3,-0.95) 5(1.3,0.95)
  silkscreen extent -1.72,-1.45 0.43,1.87, body extent -1.4,-1.5 1.4,1.5, height 1.45
TELEGARTNER_J01151A0451 [mm] "SMA 50 ohm Edge Mount Bulkhead Jack Receptacle"
  rect 1.5x1 smd: 1(0,0)
  rect 8.6x1.1 smd: 2(5.65,4.2) 2(5.65,-4.2)
  Keep-Out Layer board cut-out: 1.35,-3.55 1.09,-3.491 0.881,-3.324 0.765,-3.084 0.765,-2.816 0.881,-2.576 1.09,-2.409 1.35,-2.35 1.35,-2.35 1.35,2.35 1.09,2.409 0.881,2.576 0.765,2.816 0.765,3.084 0.881,3.324 1.09,3.491 1.35,3.55 1.35,3.55 9.95,3.55 9.95,-3.55
  silkscreen extent 1.1,-4.75 21.45,4.75, body extent -0.65,-4.75 21.45,4.75, height 5.25
TELEGARTNER_J01151A0921 [mm]
  round 2 hole 1.5: 1(0,0) 2(-2.54,-2.54) 2(-2.54,2.54) 2(2.54,-2.54) 2(2.54,2.54)
  silkscreen extent -25.95,-3.23 3.23,3.23, body extent -26,-4.25 3.5,4.25, height 11.25
XFMR_MINI-CIRCUITS_DB1627 [mm] "MINI-CIRCUITS RF Transformer, Case DB1627 - Body 4.06X3.81mm"
  rect 0.76x1.65 smd: 1(-1.27,1.59) 2(0,1.59) 3(1.27,1.59) 4(1.27,-1.59) 5(0,-1.59) 6(-1.27,-1.59)
  silkscreen extent -2.3,-0.37 1.91,1.72, body extent -1.9,-2.03 1.91,2.03, height 4.06